# KiCad board krishveercard.kicad_pcb
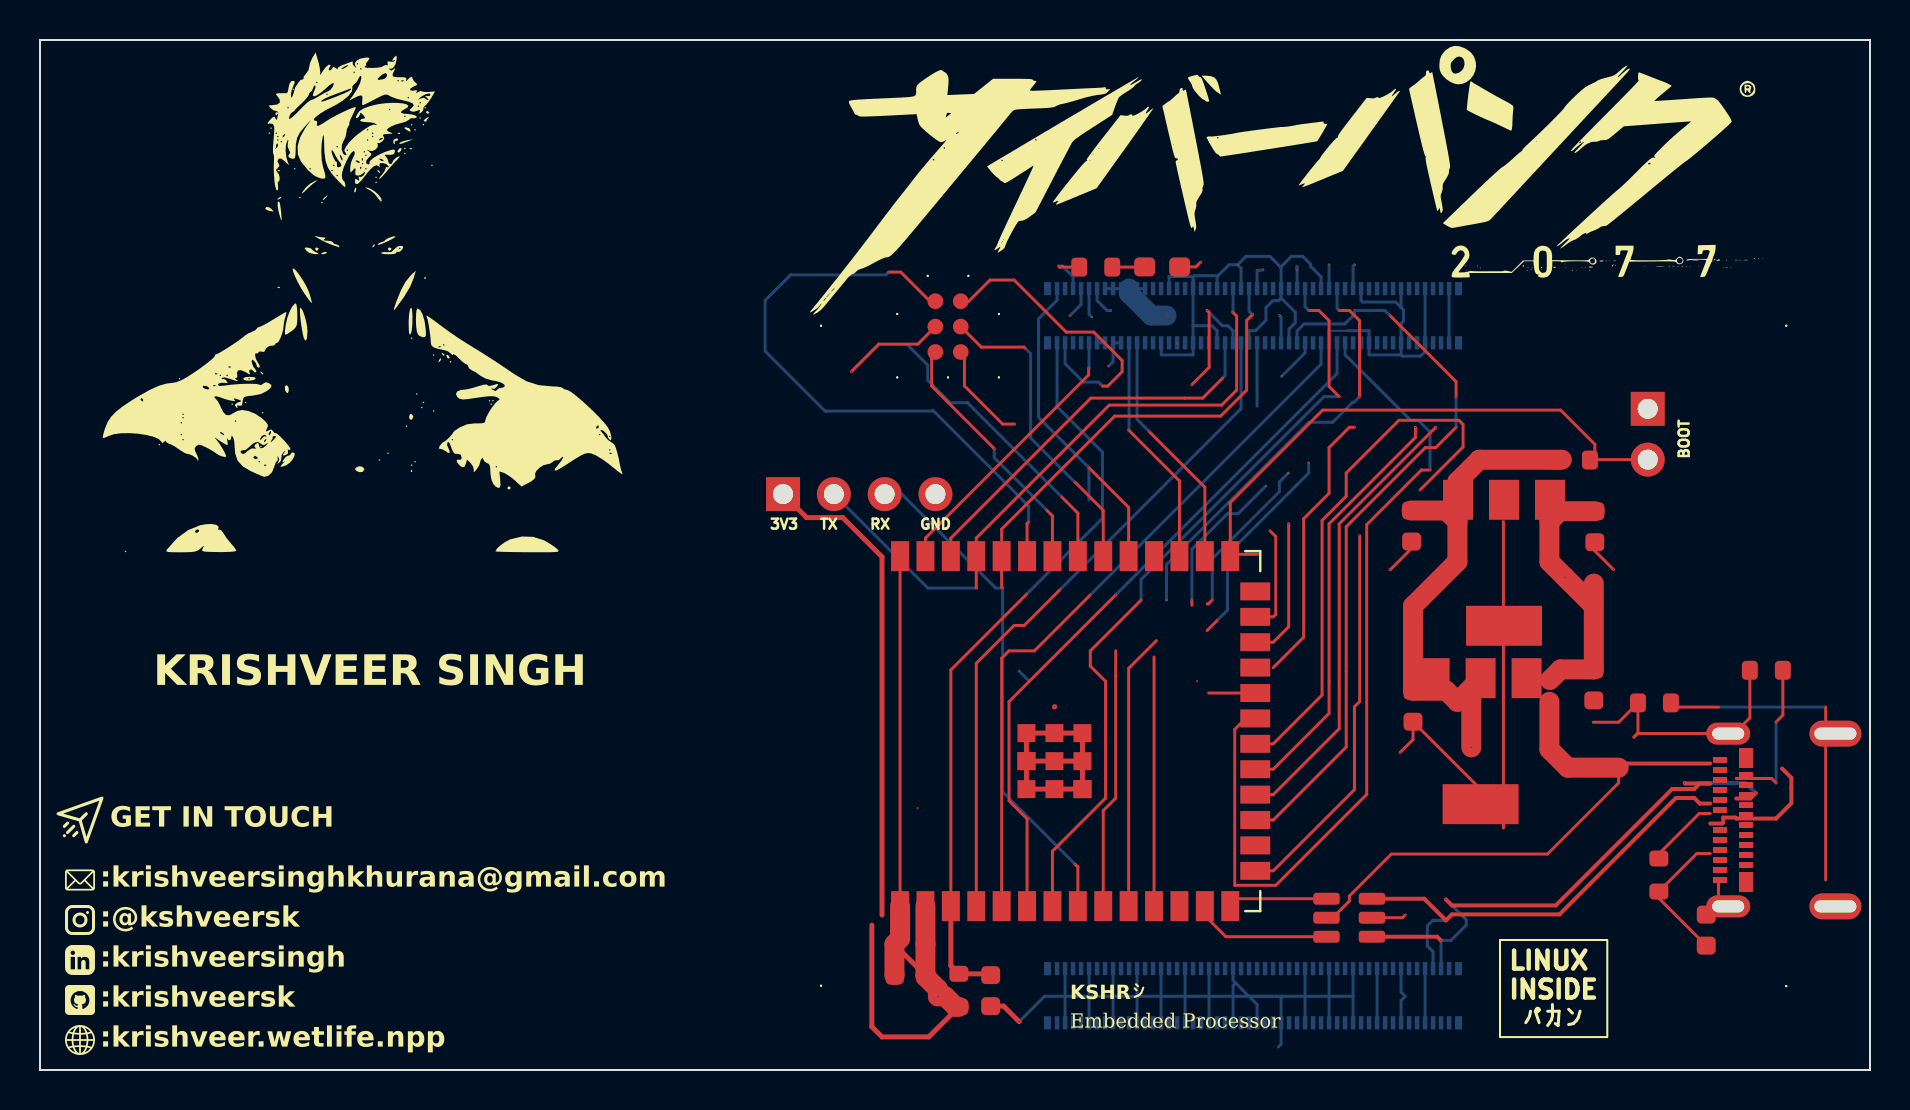
[diagram p0: board, top side]
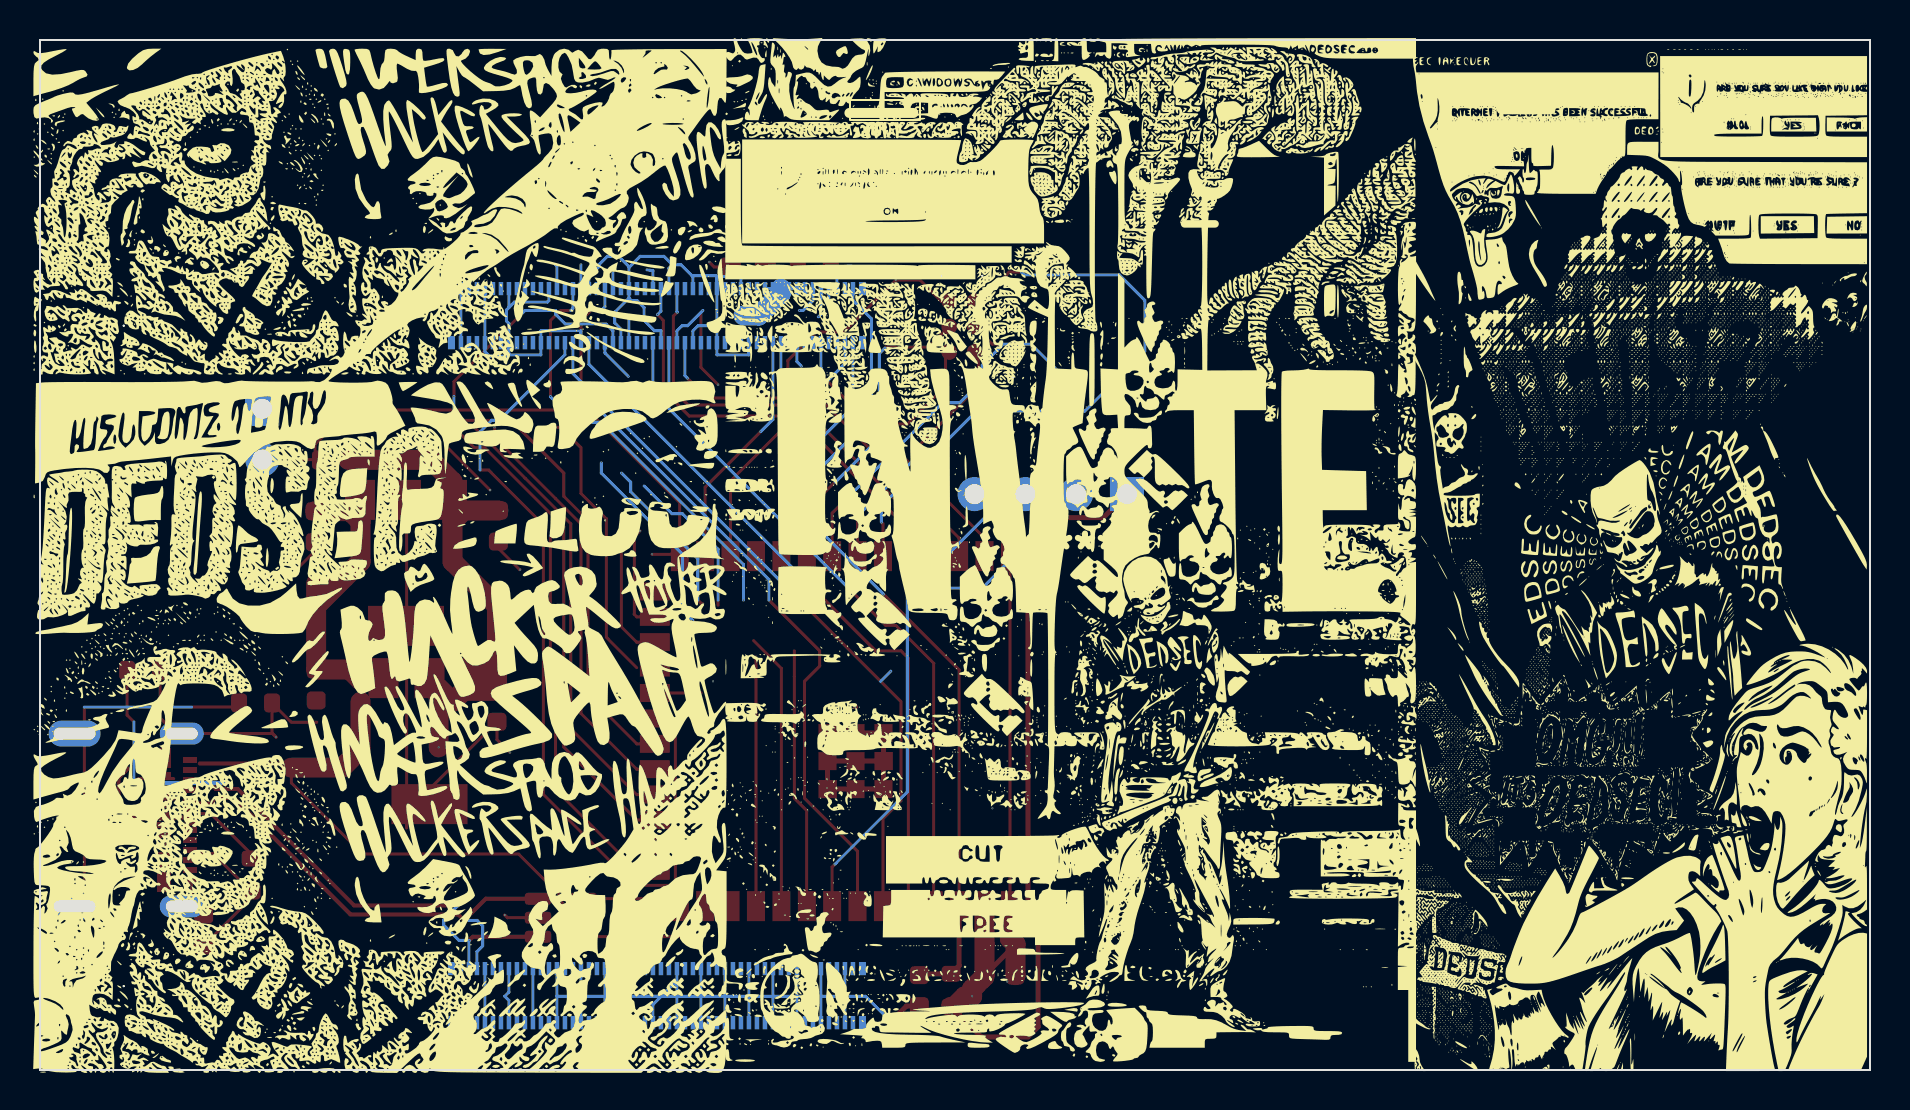
[diagram p1: board, bottom side, seen from below]

Outline 91.5 x 51.5 mm; copper layers: Top, In1.Cu, In2.Cu, Bottom. Coordinates in mm from the lower left corner of the outline.
Outline path: 0,51.5 91.5,51.5 91.5,0 0,0 0,51.5
Stack: Top 0.035mm / dielectric 0.1mm FR4 er 4.5 / In1.Cu 0.035mm / dielectric 1.24mm FR4 er 4.5 / In2.Cu 0.035mm / dielectric 0.1mm FR4 er 4.5 / Bottom 0.035mm

## Placement (name value [footprint] x y rotation side)
   UART  [PinHeader_1x04_P2.54mm_Vertical]  37.15 28.79 90 top
    C  [C_0603_1608Metric]  47.53 3.97 270 top
                    ~  [HRS_DF40C-100DP-0.4V(51)]  60.65 3.71 180 bottom
                     ~  [HRS_DF40C-100DP-0.4V(51)]  60.65 37.71 180 bottom
  #2  MCP1825S  [SOT-223-3_TabPin2]  73.2 25.36 270 top
  #3  C  [C_0603_1608Metric]  43.51 4.74 180 top
  #4  C  [C_0603_1608Metric]  77.74 27.16 270 top
  #5  USBLC6-2SC6  [SOT-23-6]  65.46 7.61 180 top
  #6  105450-0101  [MOLEX_105450-0101]  87.77 12.5 90 top
  #7  MCP1825S  [SOT-223-3_TabPin2]  72.03 16.44 270 top
  #8  5k1  [R_0603_1608Metric]  80.94 9.75 90 top
  #9  68  [R_0603_1608Metric]  52.79 40.14 180 top
  #10  C  [C_0603_1608Metric]  77.69 19.25 270 top
  #11  BOOT  [PinHeader_1x02_P2.54mm_Horizontal]  80.39 33.06 0 top
  #12  C  [C_0603_1608Metric]  83.31 6.99 90 top
  #13  10k  [R_0603_1608Metric]  45.94 3.98 90 top
  #14  10k  [R_0603_1608Metric]  80.72 18.35 180 top
  #15  10k  [R_0603_1608Metric]  76.68 30.5 0 top
  #16  5k1  [R_0603_1608Metric]  86.32 19.98 0 top
 #2  -  [ESP32-S3-WROOM-1]  51.26 16.94 90 top
 #3  C  [C_0603_1608Metric]  68.65 18.19 270 top
 #4  Conn_ARM_SWD_TagConnect_TC2030  [Tag-Connect_TC2030-IDC-FP_2x03_P1.27mm_Vertical]  45.4 37.17 90 top
 #5  LED  [LED_0603_1608Metric_Pad1.05x0.95mm_HandSolder]  56.11 40.15 0 top
 #6  C  [C_0603_1608Metric]  68.58 27.2 270 top
G***  -  [LOGO]  2 12.5 0 top
G***#2  -  [LOGO]  2 7.5 0 top
G***#3  -  [LOGO]  2 9.5 0 top
G***#4  -  [LOGO]  16 38.5 0 top
G***#5  -  [LOGO]  2 3.5 0 top
G***#6  -  [LOGO]  2 5.5 0 top
G***#7  -  [LOGO]  2 1.5 0 top
G***#8  -  [LOGO]  63.5 44.5 0 top
G***#9  -  [LOGO]  11.5 25.5 180 bottom
G***#10  -  [LOGO]  74.5 25.5 180 bottom
G***#11  -  [LOGO]  40 26 180 bottom
MP1  ~  [Mount-hole-M2.5]  39.05 37.21 0 top
MP2  ~  [Mount-hole-M2.5]  39.05 4.21 0 top
MP3  ~  [Mount-hole-M2.5]  87.31 37.21 0 top
MP4  ~  [Mount-hole-M2.5]  87.31 4.19 0 top

## Library data of the parts
  = -: Description: Generic connector, single row, 01x04, script generated (kicad-library-utils/schlib/autogen/connector/)
     #3   #4   #10   #12  #3  #6 = -: Description: Unpolarized capacitor
                                       = -: MPN: DF40C-100DP-0.4V(51); Manufacturer: HRS
  #2   #7 = -: Description: 500mA, Low-Voltage, Low Quiescent Current LDO Regulator, SOT-223, TO-220, TO-263
  #5 = -: Description: Very low capacitance ESD protection diode, 2 data-line, SOT-23-6
  #6 = -: x: Good
  #8   #9   #13-  #16 = -: Description: Resistor
  #11 = -: Description: Generic connector, single row, 01x02, script generated
 #2 = -: Description: 2.4 GHz WiFi (802.11 b/g/n) and Bluetooth ® 5 (LE) module Built around ESP32S3 series of SoCs, Xtensa ® dualcore 32bit LX7 microprocessor Flash up to 16 MB, PSRAM up to 8 MB 36 GPIOs, rich set of peripherals Onboard PCB antenna
 #4 = -: Description: Tag-Connect ARM Cortex SWD JTAG connector, 6 pin
 #5 = -: Description: Light emitting diode

## Footprints (pads in the part's own frame, mm; a bottom-side part is the same pattern mirrored in y, then rotated)
C_0603_1608Metric
  rrect 0.9x0.95 smd: 1(-0.775,0) 2(0.775,0)
ESP32-S3-WROOM-1
  rect 1.5x0.9 smd: 1(-8.75,8.26) 2(-8.75,6.99) 3(-8.75,5.72) 4(-8.75,4.45) 5(-8.75,3.18) 6(-8.75,1.91) 7(-8.75,0.64) 8(-8.75,-0.63) 9(-8.75,-1.9) 10(-8.75,-3.17) 11(-8.75,-4.44) 12(-8.75,-5.71) 13(-8.75,-6.98) 14(-8.75,-8.25) 27(8.75,-8.25) 28(8.75,-6.98) 29(8.75,-5.71) 30(8.75,-4.44) 31(8.75,-3.17) 32(8.75,-1.9) 33(8.75,-0.63) 34(8.75,0.64) 35(8.75,1.91) 36(8.75,3.18) 37(8.75,4.45) 38(8.75,5.72) 39(8.75,6.99) 40(8.75,8.26)
  rect 0.9x1.5 smd: 15(-6.985,-9.5) 16(-5.715,-9.5) 17(-4.445,-9.5) 18(-3.175,-9.5) 19(-1.905,-9.5) 20(-0.635,-9.5) 21(0.635,-9.5) 22(1.905,-9.5) 23(3.175,-9.5) 24(4.445,-9.5) 25(5.715,-9.5) 26(6.985,-9.5)
  rect 0.9x0.9 smd: 41(-2.9,1.94) 41(-2.9,0.54) 41(-2.9,-0.86) 41(-2.9,-0.86) 41(-1.5,1.94) 41(-1.5,1.94) 41(-1.5,0.54) 41(-1.5,-0.86) 41(-0.1,1.94) 41(-0.1,0.54) 41(-0.1,-0.86)
HRS_DF40C-100DP-0.4V(51)
  rect 0.23x0.66 smd: 1(-9.8,1.355) 2(-9.8,-1.355) 3(-9.4,1.355) 4(-9.4,-1.355) 5(-9,1.355) 6(-9,-1.355) 7(-8.6,1.355) 8(-8.6,-1.355) 9(-8.2,1.355) 10(-8.2,-1.355) 11(-7.8,1.355) 12(-7.8,-1.355) 13(-7.4,1.355) 14(-7.4,-1.355) 15(-7,1.355) 16(-7,-1.355) 17(-6.6,1.355) 18(-6.6,-1.355) 19(-6.2,1.355) 20(-6.2,-1.355) 21(-5.8,1.355) 22(-5.8,-1.355) 23(-5.4,1.355) 24(-5.4,-1.355) 25(-5,1.355) 26(-5,-1.355) 27(-4.6,1.355) 28(-4.6,-1.355) 29(-4.2,1.355) 30(-4.2,-1.355) 31(-3.8,1.355) 32(-3.8,-1.355) 33(-3.4,1.355) 34(-3.4,-1.355) 35(-3,1.355) 36(-3,-1.355) 37(-2.6,1.355) 38(-2.6,-1.355) 39(-2.2,1.355) 40(-2.2,-1.355) 41(-1.8,1.355) 42(-1.8,-1.355) 43(-1.4,1.355) 44(-1.4,-1.355) 45(-1,1.355) 46(-1,-1.355) 47(-0.6,1.355) 48(-0.6,-1.355) 49(-0.2,1.355) 50(-0.2,-1.355) 51(0.2,1.355) 52(0.2,-1.355) 53(0.6,1.355) 54(0.6,-1.355) 55(1,1.355) 56(1,-1.355) 57(1.4,1.355) 58(1.4,-1.355) 59(1.8,1.355) 60(1.8,-1.355) 61(2.2,1.355) 62(2.2,-1.355) 63(2.6,1.355) 64(2.6,-1.355) 65(3,1.355) 66(3,-1.355) 67(3.4,1.355) 68(3.4,-1.355) 69(3.8,1.355) 70(3.8,-1.355) 71(4.2,1.355) 72(4.2,-1.355) 73(4.6,1.355) 74(4.6,-1.355) 75(5,1.355) 76(5,-1.355) 77(5.4,1.355) 78(5.4,-1.355) 79(5.8,1.355) 80(5.8,-1.355) 81(6.2,1.355) 82(6.2,-1.355) 83(6.6,1.355) 84(6.6,-1.355) 85(7,1.355) 86(7,-1.355) 87(7.4,1.355) 88(7.4,-1.355) 89(7.8,1.355) 90(7.8,-1.355) 91(8.2,1.355) 92(8.2,-1.355) 93(8.6,1.355) 94(8.6,-1.355) 95(9,1.355) 96(9,-1.355) 97(9.4,1.355) 98(9.4,-1.355) 99(9.8,1.355) 100(9.8,-1.355)
  rect 0.35x0.66 smd: S1(-10.275,1.355) S2(-10.275,-1.355) S3(10.275,1.355) S4(10.275,-1.355)
LED_0603_1608Metric_Pad1.05x0.95mm_HandSolder
  rrect 1.05x0.95 smd: 1(-0.875,0) 2(0.875,0)
MOLEX_105450-0101
  rect 0.3x0.7 smd: A1(-3,3.77) A2(-2.5,3.77) A3(-2,3.77) A4(-1.5,3.77) A5(-1,3.77) A6(-0.5,3.77) A7(0.5,3.77) A8(1,3.77) A9(1.5,3.77) A10(2,3.77) A11(2.5,3.77) A12(3,3.77) B2(2.25,2.47) B3(1.75,2.47) B4(1.25,2.47) B5(0.75,2.47) B6(0.25,2.47) B7(-0.25,2.47) B8(-0.75,2.47) B9(-1.25,2.47) B10(-1.75,2.47) B11(-2.25,2.47)
  rect 1x0.7 smd: B1(3.1,2.47) B12(-3.1,2.47)
  oval 1.1x2.2 hole 0.6x1.6: S1(-4.32,3.36) S2(4.32,3.36)
  oval 1.3x2.6 hole 0.6x2.1: S3(-4.32,-2) S4(4.32,-2)
Mount-hole-M2.5
  round 0.1 hole 0.1: 1(0,0)
PinHeader_1x02_P2.54mm_Horizontal
  rect 1.7x1.7 hole 1: 1(0,0)
  oval 1.7x1.7 hole 1: 2(0,-2.54)
PinHeader_1x04_P2.54mm_Vertical
  rect 1.7x1.7 hole 1: 1(0,0)
  oval 1.7x1.7 hole 1: 2(0,-2.54) 3(0,-5.08) 4(0,-7.62)
R_0603_1608Metric
  rrect 0.8x0.95 smd: 1(-0.825,0) 2(0.825,0)
SOT-23-6
  rrect 1.325x0.6 smd: 1(-1.137,0.95) 2(-1.137,0) 3(-1.137,-0.95) 4(1.137,-0.95) 5(1.137,0) 6(1.137,0.95)
SOT-223-3_TabPin2
  rect 2x1.5 smd: 1(-3.15,2.3) 2(-3.15,0) 3(-3.15,-2.3)
  rect 2x3.8 smd: 2(3.15,0)
Tag-Connect_TC2030-IDC-FP_2x03_P1.27mm_Vertical
  round 0.1 hole 0.1 unplated: (-2.54,2.54) (-2.54,0) (-2.54,-2.54) (0.635,2.54) (0.635,-2.54) (2.54,1.016) (2.54,-1.016)
  round 0.787 smd: 1(-1.27,-0.635) 2(-1.27,0.635) 3(0,-0.635) 4(0,0.635) 5(1.27,-0.635) 6(1.27,0.635)

## Nets
+1V8:                    .88                    .90
+3V3:  .1                    .84                    .86   #2.3   #3.1   #7.3   #13.1   #15.1  #2.2  #3.1  #4.1  #5.2  #6.1
+5V:                    .77                    .79                    .81                    .83                    .85                    .87   #2.1   #4.1   #5.5   #6.A4   #6.A9   #6.B4   #6.B9   #7.1   #10.1
GND:  .4   .2                   .7                   .8                   .13                   .14                   .19                   .20                   .25                   .26                   .31                   .32                   .37                   .38                   .44                   .50                   .55                   .56                   .61                   .62                   .67                   .68                   .73                   .74                   .79                   .80                   .85                   .86                   .91                   .92                   .97                   .98                    .1                    .2                    .7                    .8                    .13                    .14                    .22                    .23                    .32                    .33                    .42                    .43                    .52                    .53                    .59                    .60                    .65                    .66                    .71                    .74                    .98   #2.2   #3.2   #4.2   #5.2   #6.A1   #6.A12   #6.B1   #6.B12   #7.2   #8.1   #10.2   #11.1   #12.1   #14.2   #16.1  #2.1  #2.40  #2.41  #3.2  #4.5  #6.2
/D+:   #5.4  #2.14
/D-:   #5.6  #2.13
AIN0:                    .96
AIN1:                    .94
BT_nDis:                    .91  #2.25
CAM1_D2_N:                   .33
CAM1_D2_P:                   .35
CAM1_D3_N:                   .39
CAM1_D3_P:                   .41
CAM_GPIO:                    .97
CSI1RX_CLK_N:                   .40
CSI1RX_CLK_P:                   .42
CSI1RX_D0_N:                   .28
CSI1RX_D0_P:                   .30
CSI1RX_D1_N:                   .34
CSI1RX_D1_P:                   .36
CSI2RX_CLK_N:                   .27
CSI2RX_CLK_P:                   .29
CSI2RX_D0_N:                   .15
CSI2RX_D0_P:                   .17
CSI2RX_D1_N:                   .21
CSI2RX_D1_P:                   .23
DSI0_C_N:                   .69
DSI0_C_P:                   .71
DSI0_D0_N:                   .57
DSI0_D0_P:                   .59
DSI0_D1_N:                   .63
DSI0_D1_P:                   .65
DSI1_C_N:                   .87
DSI1_C_P:                   .89
DSI1_D0_N:                   .75
DSI1_D0_P:                   .77
DSI1_D1_N:                   .81
DSI1_D1_P:                   .83
DSI1_D2_N:                   .93
DSI1_D2_P:                   .95
DSI1_D3_N:                   .94
DSI1_D3_P:                   .96
EEPROM_nWP:                    .20
ETH0_N:                    .10
ETH0_P:                    .12
ETH1_N:                    .6
ETH1_P:                    .4
ETH2_N:                    .9
ETH2_P:                    .11
ETH3_N:                    .5
ETH3_P:                    .3
ETH_SYNC_IN:                    .16
ETH_SYNC_OUT:                    .18
ETHERNET_nLED1:                    .19
Ethernet_nLED2:                    .17
Ethernet_nLED3:                    .15
GLOBAL_EN:                    .99  #2.31
GPIO_VREF:                    .78
HDMI1_CEC:                   .49
HDMI1_CK_N:                   .66
HDMI1_CK_P:                   .64
HDMI1_D0_N:                   .60
HDMI1_D0_P:                   .58
HDMI1_D1_N:                   .54
HDMI1_D1_P:                   .52
HDMI1_D2_N:                   .48
HDMI1_D2_P:                   .46
HDMI1_HOTPLUG:                   .43
HDMI1_SCL:                   .47
HDMI1_SDA:                   .45
HDMI_CEC:                   .51
HDMI_DSCL:                   .100
HDMI_DSDA:                   .99
HDMI_HPD:                   .53
HDMI_TX0_N:                   .84
HDMI_TX0_P:                   .82
HDMI_TX1_N:                   .78
HDMI_TX1_P:                   .76
HDMI_TX2_N:                   .72
HDMI_TX2_P:                   .70
HDMI_TXC_N:                   .90
HDMI_TXC_P:                   .88
I2C2_SCL:                    .80  #2.28
I2C2_SDA:                    .82  #2.29
nEXTRST:   .1                    .100   #13.2  #2.3
nPWR_LED:                    .95   #9.2
nRPI_BOOT:                    .93   #11.2   #15.2  #2.27
PCIE_CLK_N:                   .12
PCIE_CLK_nREQ:                   .2
PCIE_CLK_P:                   .10
PCIE_RX_N:                   .18
PCIE_RX_P:                   .16
PCIE_TX_N:                   .24
PCIE_TX_P:                   .22
Pi_nLED_Activity:                    .21
PSCIE_nRST:                   .9
RPI_GPIO02:                    .58  #2.38
RPI_GPIO03:                    .56  #2.15
RPI_GPIO04:                    .54  #2.4
RPI_GPIO05:                    .34  #2.5
RPI_GPIO06:                    .30  #2.6
RPI_GPIO07:                    .37  #2.7
RPI_GPIO08:                    .39  #2.12
RPI_GPIO09:                    .40  #2.17
RPI_GPIO10:                    .44  #2.18
RPI_GPIO11:                    .38  #2.19
RPI_GPIO12:                    .31  #2.20
RPI_GPIO13:                    .28  #2.21
RPI_GPIO14 / Uart_TXD:  .2                    .55  #2.22  #2.37
RPI_GPIO15 / Uart_RXD:  .3                    .51  #2.8  #2.36
RPI_GPIO16:                    .29  #2.9
RPI_GPIO17:                    .50  #2.10
RPI_GPIO18:                    .49  #2.11
RPI_GPIO19:                    .26
RPI_GPIO20:                    .27
RPI_GPIO21:                    .25  #2.23
RPI_GPIO22:                    .46
RPI_GPIO23:                    .47
RPI_GPIO24:                    .45
RPI_GPIO25:                    .41
RPI_GPIO26:                    .24
RPI_GPIO27:                    .48
RPI_ID_SC:                    .35
RPI_ID_SD:                    .36
RUN_PG:                    .92  #2.39
SD_CLK:                    .57
SD_CMD:                    .62
SD_DAT0:                    .63
SD_DAT1:                    .67
SD_DAT2:                    .69
SD_DAT3:                    .61
SD_DAT4:                    .68
SD_DAT5:                    .64
SD_DAT6:                    .72
SD_DAT7:                    .70
SD_PWR_ON:                    .75
SD_VDD_OVRD:                    .73
TV_OUT:                   .11
USBD_N:                   .3   #5.1   #6.A7   #6.B7
USBD_P:                   .5   #5.3   #6.A6   #6.B6
USBOTG_ID:                   .1
WL_nDis:                    .89  #2.24
Net-(C6-Pad2):   #6.S1   #6.S2   #6.S3   #6.S4   #12.2   #14.1
Net-(D1-K):   #9.1  #5.1
Net-(J1-SWCLK):  #2.33  #4.4
Net-(J1-SWDIO):  #2.34  #4.2
Net-(J1-SWO):  #2.35  #4.6
Net-(J1-~{RESET}):  #2.32  #4.3
Net-(J5-CC1):   #6.A5   #8.2
Net-(J5-CC2):   #6.B5   #16.2

Pads without a net:                    4 6 S1 S2 S3 S4;                     76 S1 S2 S3 S4;   #6 A2 A3 A8 A10 A11 B2 B3 B8 B10 B11;  #2 16 26 30; MP1 1; MP2 1; MP3 1; MP4 1

## Via types
v1: diameter 0.1, hole 0.05, Top to Bottom, 87 vias

## Routing (per net, layer and track width the routed paths; a pad name or vN(x,y) marks a point on that pad's centre or on a via; arc(x,y) is an arc through that point)
+1V8: length 0.4
  Bottom w0.15:                    .90                    .88
+3V3: length 133.5
  Top w0.15:  #5.2 57.79,40.15 v1(58.03,40.39) ; v1(48.73,32.29) 48.13,32.29 46.22,34.2 46.22,35.71  #4.1
  Top w0.25: 42.1,7.75 42.1,25.66 40.14,27.62 38.33,27.62  .1 ; 41.59,7.24 41.59,2.16 42.1,1.65 44.44,1.65   #13.1
  Top w1: 70.87,27.42 70.87,29.42 71.97,30.51 76.09,30.51 ; 70.87,27.42 70.32,27.97  #6.1 ; 70.87,27.42 70.87,25.42 68.65,23.2  #3.1 70.32,18.96 70.87,18.41 71.56,19.1 v1(71.56,16.13) ;   #13.1 45.78,3.16 45.26,3.69 v1(44.89,3.69) 44.89,4.05 44.28,4.66   #3.1 44.27,4.75  #2.2
  In2.Cu w0.15: v1(53.43,35.19) 53.23,35.39 53.23,36.71 ; 53.23,36.71 54.21,36.71 57.9,40.39 v1(58.03,40.39) ; 53.23,36.71 53.02,36.71 48.73,32.42 v1(48.73,32.29) 40.65,32.29  .1
  In2.Cu w1: v1(71.56,16.13) 59.88,4.45 45.66,4.45 v1(44.89,3.69)
  Bottom w0.15:                    .84                    .86 53.65,35.41 v1(53.43,35.19)
+5V: length 84.3
  Top w0.15: 78.93,15.12 78.93,14.35 75.37,10.8 67.57,10.8 65.47,8.7 65.47,8.45 64.64,7.61   #5.5
  Top w0.2: 78.93,15.12 79.14,15.32 83.51,15.32
  Top w1: 75.47,18.41 75.47,16.04 76.39,15.12 78.93,15.12 ; 75.5,19.5 76.03,20.03   #10.1 77.69,24.32 ;   #4.1 75.99,27.94 75.47,27.42 75.47,25.42 v1(76.26,24.63) 77.66,23.23
  In2.Cu w1: v1(56.32,37.72) 58.35,35.69 59.81,35.69 60.47,35.03 60.47,34.22 ; v1(76.26,24.63) 74.35,22.73 65.73,22.73 65.5,22.5 66.07,22.5 68.28,24.7 68.28,26.61 63.43,31.46 61.04,31.46 ; 56.42,37.42 55.58,36.58 55.58,36.07 56.99,34.66
  Bottom w0.15:                    .87                    .77
  Bottom w1:                    .81 54.45,38.83 55.56,37.72 v1(56.32,37.72)
GND: length 232.1
  Top w0.15: 53.13,34.19 53.39,34.19 54.11,34.91 54.11,35.47 52.69,36.89 51.31,36.89 v1(48.7,39.5) 47.5,39.5 46.44,38.44  #4.5 ; v1(67.5,25.02) 67.52,25.02 68.58,26.08  #6.2 ;   #4.2 77.74,25.96 v1(78.68,25.02) ;   #5.2 68.13,7.61 v1(68.26,7.75) ; 83.51,10.82 82.84,10.82   #8.1 80.94,8.59   #12.1 ; v1(68.01,15.88) 68.65,16.52  #3.2 73.17,12.89 73.17,12.11 73.17,27.42 ; 77.66,17.39 78.93,17.39   #14.2 79.9,16.84 v1(79.69,16.64) 79.88,16.82 83.51,16.82 83.61,16.92 84.81,16.92 85.49,17.6   #16.1 ;  #2.40  #2.1
  Top w0.25:  #2.41  #2.41 ; 44,5 42.76,6.24 ; v1(48.96,2.42) 48.18,3.19   .2 ; 50.72,18.15 v1(50.74,18.16) ;  #2.41  #2.41  #2.41  #2.41  #2.41
  Top w1:  #2.1 43,6.57 42.72,6.29 42.72,4.75   #3.2
  In1.Cu w0.15: v1(48.7,39.5) 59.12,39.5 v1(59.88,40.26)
  In1.Cu w0.25: 48.96,18.16 v1(43.88,13.08)
  Bottom w0.1: 65.4,36.96 64.48,36.96 64.46,36.95
  Bottom w0.15: 62.04,40.14 62.05,40.12                    .43 62.05,38.6 ; 62.04,40.14 62.04,40.15 62.57,40.68 63.13,40.68 63.53,40.29 63.53,40.19 64.05,39.66                    .33 ; 62.04,40.14 61.49,40.68 60.3,40.68 v1(59.88,40.26) ;                   .14 68.05,3.48 68.26,3.69 68.05,3.9                   .13 ;                    .71 56.45,39.66 56.46,39.67 57.64,39.67 57.65,39.66                    .65 ;                   .25 65.65,3.69 ; 65.65,3.69 50.23,3.69 v1(48.96,2.42) ; 65.65,3.69                   .26 ;                   .37                   .38 ;                    .74 56.06,36.35 56.06,35.75 57.64,35.75 57.65,35.76                    .66 57.65,37.21 ;                    .52 60.45,36.95 60.46,36.96 60.77,36.96 61.3,37.49 61.3,38.12 61.64,38.46 61.92,38.46 62.05,38.6 ;                   .79                   .80 ; 59.78,4.35 59.65,4.47                   .55 ; 59.78,4.35 60.44,3.69 ; 59.78,4.35 59.65,4.22                   .56 ; 62.05,38.6 62.76,37.89 62.76,37.36 62.45,37.05                    .42 ; 57.65,37.21 58.59,37.21 58.85,36.95                    .60 ; 57.65,37.21                    .65 ; 64.46,36.36 64.46,36.95 64.45,36.95                    .32 ;                   .97                   .98 ;                   .73                   .74 ; 65.4,36.96 66.44,36.96 66.45,36.95                    .22 66.45,35.76 66.46,35.75 68.04,35.75 68.05,35.76 ;                   .19                   .20 ; 58.9,39.71 58.85,39.66                    .59 ; 58.9,39.71 59.45,40.26 v1(59.88,40.26) ; 58.9,39.71 57.7,39.71 57.66,39.67 57.66,39.08                    .65 ;                   .85                   .86 ;                   .61                   .62 ;                    .98 51.25,35.32 52.18,34.39 52.93,34.39 53.13,34.19 ; 60.44,3.69 62.17,3.69 62.05,3.57                   .44 62.05,1.29 61.91,1.15 ; 60.44,3.69 60.85,3.27                   .50 ;                   .31                   .32 ;                    .7                    .8 69.25,35.92 69.02,35.69 68.13,35.69 68.05,35.76 ; 68.05,35.76                    .14 68.05,37.32 68.18,37.44 68.18,38 68.05,38.12 ; 68.05,38.12 67.78,38.4 66.13,38.4 66.05,38.47                    .23 ; 68.05,38.12                    .13 ;                    .53 60.05,40.09 v1(59.88,40.26) ;                   .8                   .7 ;                   .91                   .92 ;                   .67                   .68 ;                    .1                    .2
  vias: v1(43.14,4.42) v1(53.03,34.27)
/D+: length 5
  Top w0.15:  #2.14 59.88,8.56   #5.4
/D-: length 7
  Top w0.15:   #5.6 59.29,6.66 58.24,7.71  #2.13
BT_nDis: length 21.8
  Top w0.15:  #2.25 61.66,22.66 61.79,22.78 61.79,26.67 v1(61.5,26.96)
  In1.Cu w0.15: v1(52.58,37.66) 53.03,37.21 54.04,37.21 56.57,34.68 56.57,31.89 v1(61.5,26.96)
  Bottom w0.15:                    .91 52.45,37.79 v1(52.58,37.66)
GLOBAL_EN: length 17.2
  Top w0.15:  #2.31 54.43,28.13 v1(52.45,30.11)
  Bottom w0.15: 52.45,28.5 v1(52.45,30.11) 49.93,32.63 49.93,37.56 50.85,38.49                    .99
I2C2_SCL: length 12.1
  Top w0.15:  #2.28 58.24,29.14 v1(55.46,31.92)
  Bottom w0.15: v1(55.46,31.92) 54.85,32.53                    .80
I2C2_SDA: length 11.7
  Top w0.15:  #2.29 56.97,29.45 v1(54.43,31.99)
  Bottom w0.15: v1(54.43,31.99) 54.45,32.01                    .82
nEXTRST: length 37.4
  Top w0.15: v1(49.33,23.79) 45.54,20  #2.3
  Top w0.25:   .1 47.47,4.81   #13.2 45.54,5.21  #2.3
  Bottom w0.15: v1(49.33,23.79) 53.12,27.59 53.12,30.89 50.85,33.17                    .100
nPWR_LED: length 2.6
  Top w0.15:   #9.2 50.98,40.14 v1(50.93,40.19)
  Bottom w0.15:                    .95 51.65,39.66 51.12,40.19 v1(50.93,40.19)
nRPI_BOOT: length 46.4
  Top w0.15: v1(60.9,25.78) 59.6,25.78  #2.27 59.51,28.37 64.13,32.99 76.03,32.99 77.74,31.28 77.74,30.51 77.75,30.52 80.39,30.52
  In1.Cu w0.15: v1(51.5,37.72) 52.51,36.71 53.53,36.71 56.22,34.02 56.22,30.46 v1(60.9,25.78)
  Bottom w0.15:                    .93 52.05,38.28 v1(51.5,37.72)
RPI_GPIO02: length 19.6
  Top w0.15: v1(59.13,34.59) 58.13,33.59 52.54,33.59 45.54,26.59  #2.38
  Bottom w0.15: v1(59.13,34.59) 59.25,34.71                    .58
RPI_GPIO03: length 38.7
  Top w0.15: v1(58.36,37.98) 58.46,37.88 58.46,35.13 v1(57.59,34.27) ;  #2.15 61.66,9.96 65.72,14.02 65.72,18.16 65.99,18.43 v1(65.99,26.71)
  In1.Cu w0.15: v1(57.59,34.27) 57.59,31.94 61.47,28.07 64.63,28.07 v1(65.99,26.71)
  Bottom w0.15: v1(58.36,37.98) 59.12,37.21 59.39,37.21 59.65,36.95                    .56
RPI_GPIO04: length 33.9
  Top w0.15:  #2.4 46.81,20.34 48.7,22.23 49.21,22.23 v1(50.99,24.01)
  Bottom w0.15: v1(50.99,24.01) 60.05,33.07                    .54
RPI_GPIO05: length 35.5
  Top w0.15: v1(52.51,23.75) 49.72,20.96 48.45,20.96 48.08,20.59  #2.5
  Bottom w0.15: v1(52.51,23.75) 64.05,35.29                    .34
RPI_GPIO06: length 35.3
  Top w0.15: v1(53.78,23.75) 48.45,18.42 48.45,13.47 49.35,12.56  #2.6
  Bottom w0.15:                    .30 64.85,34.82 v1(53.78,23.75)
RPI_GPIO07: length 38.9
  Top w0.15: v1(63.44,37.98) 63.94,37.98 64.45,37.47 64.45,34.18 v1(64.96,33.67) ;  #2.7 50.62,10.94 53.28,13.59 53.28,19.43 52.51,20.2 52.51,20.96 v1(55.05,23.5)
  Bottom w0.15: v1(55.05,23.5) 55.05,24.53 64.2,33.67 v1(64.96,33.67) ;                    .37 63.25,38.16 v1(63.44,37.98)
RPI_GPIO08: length 21.9
  Top w0.15: 58.36,21.97 v1(58.86,22.48)
  In1.Cu w0.15: v1(63.44,30.36) 62.93,30.86 62.93,34.42 ; 62.76,34.59 62.76,40.09 v1(62.85,40.01) ; 58.71,37.79 58.88,37.62
  Bottom w0.15: v1(62.85,40.01) 62.85,40.19                    .39 ; v1(63.44,30.36) 63.44,29.85 59.37,25.78 59.37,22.99 v1(58.86,22.48)
RPI_GPIO09: length 37.5
  Top w0.15: v1(70.8,32.13) 69.79,31.12 69.27,31.12 65.31,27.16 65.31,16.15 61.66,12.5  #2.17 ; v1(70.8,33.67) 70.8,34.42 v1(67.5,37.72)
  Bottom w0.15:                    .40 62.85,36.95 63.2,37.3 65.24,37.3 65.72,37.78 65.72,37.98 67.25,37.98 v1(67.5,37.72) ; v1(70.8,33.67) v1(70.8,32.13)
RPI_GPIO10: length 35.5
  Top w0.15:  #2.18 61.66,13.77 64.96,17.07 64.96,27.31 69.77,32.12 v1(69.77,32.13)
  In2.Cu w0.15: v1(61.97,37.72) 61.91,37.66 61.91,35.61 62.17,35.36 66.54,35.36 v1(69.77,32.13)
  Bottom w0.15:                    .44 62.05,37.64 v1(61.97,37.72)
RPI_GPIO11: length 30.8
  Top w0.15:  #2.19 61.66,15.04 64.45,17.83 64.45,27.31 68.77,31.63 v1(68.77,32.13)
  In2.Cu w0.15: v1(62.09,34.68) 66.22,34.68 v1(68.77,32.13)
  Bottom w0.15: v1(62.09,34.68) 63.25,35.85                    .38
RPI_GPIO12: length 42.3
  Top w0.15: v1(69,29) 71.15,31.15 71.15,32.28 70.95,32.48 67.95,32.48 65.31,29.85 65.31,28.69 64.1,27.48 64.1,18.75 61.66,16.31  #2.20
  In1.Cu w0.15: v1(69,29) 66.54,31.46 65.44,31.46 64.29,32.62 64.29,40.09 v1(64.45,40.26)
  Bottom w0.15:                    .31 v1(64.45,40.26)
RPI_GPIO13: length 50.1
  Top w0.15: v1(69.5,30) 69.07,30 66.34,27.27 66.34,13.78 61.79,9.23 59.74,9.23 59.74,17.03 60.28,17.58  #2.21
  In1.Cu w0.25: 66,25 69.5,28.5 v1(69.5,30)
  Bottom w0.15: v1(69.5,30) 69.5,31.9 68.92,32.48 68.53,32.48 65.25,35.76                    .28
RPI_GPIO14 / Uart_TXD: length 40.9
  Top w0.15: v1(46.83,24.09) 46.81,24.11  #2.37 46.81,26.59 53.46,33.24 59.08,33.24 59.83,33.99 59.83,37.69 v1(59.63,37.89) ;  #2.22 58.43,18.85
  In1.Cu w0.15: v1(46.83,24.09) 46.83,22.07 v1(48.96,19.94)
  Bottom w0.15: 49.47,19.43 v1(48.96,19.94) ;  .2 44.39,24.09 v1(46.83,24.09) ;                    .55 59.65,37.91 v1(59.63,37.89)
  vias: v1(57.85,19.43)
RPI_GPIO15 / Uart_RXD: length 48.7
  Top w0.15: v1(60.62,37.77) 60.33,37.48 60.33,33.99 59.03,32.69 53.73,32.69 48.08,27.04  #2.36 48.08,24.14 v1(48.13,24.09) ;  #2.8 51.89,10.15 v1(51.75,10.29)
  Bottom w0.15:  .3 43.09,28.79 47.79,24.09 v1(48.13,24.09) 48.13,13.91 v1(51.75,10.29) ;                    .51 60.45,37.94 v1(60.62,37.77)
RPI_GPIO16: length 34.1
  Top w0.15: v1(65.98,33.67) 65.98,37.47 65.47,37.98 v1(64.96,37.98) ;  #2.9 53.16,12.97 53.78,13.59 53.78,20.96
  Bottom w0.15: v1(64.96,37.98) 64.85,38.08                    .29 ; v1(65.98,33.67) 65.7,33.39 65.64,33.39 64.64,32.39 63.44,32.39 56.32,25.28 v1(56.32,23.5)
RPI_GPIO17: length 28.2
  Top w0.15: 55.82,21.47 54.43,20.08  #2.10 ; 57.59,23.24 v1(57.59,23.5)
  In1.Cu w0.15: v1(61.29,29.2) 61.63,29.54 61.63,32.42
  Bottom w0.15: v1(61.29,29.2) 59.91,27.82 59.37,27.82 57.59,26.04 v1(57.59,23.5) ;                    .50 60.85,33.19
RPI_GPIO18: length 32.8
  Top w0.15: v1(58.61,23.5) 58.42,23.31 58.36,23.31 ;  #2.11 55.7,20.65
  In1.Cu w0.15: 61.3,34.02 61.3,40.11 v1(61.15,40.01) ; 57.25,37.22 58.37,36.1 ; 62.42,32.9 v1(62.42,29.85)
  Bottom w0.15: v1(58.61,23.5) 58.61,25.56 61.97,28.92 61.97,29.39 v1(62.42,29.85) ; v1(61.15,40.01) 60.85,39.96                    .49
RPI_GPIO21: length 24
  Top w0.15: 61.66,20.12 63.18,21.64 63.18,27.56 64.45,28.83 64.45,31.12 65.47,32.13 v1(65.72,32.13)
  In1.Cu w0.25: v1(65.72,40.26) 65.72,37.72 66.7,36.74 66.7,33.37 65.72,32.39 v1(65.72,32.13)
  Bottom w0.15:                    .25 65.65,40.19 v1(65.72,40.26)
RUN_PG: length 14.1
  Top w0.15: v1(52.43,35.09) 52.43,34.75 44.27,26.59  #2.39
  Bottom w0.15: v1(52.43,35.09) 52.45,35.11                    .92
SD_DAT7: length 1.1
  In1.Cu w0.15: 57.58,35.62 v1(56.88,36.32)
  Bottom w0.15: 56.8,36.4 v1(56.88,36.32)
USBD_N: length 30.2
  Top w0.2: v1(85.79,13.85) 85.52,13.57 84.81,13.57 ;   #5.1 69.86,6.66 v1(70.04,6.48) ; v1(82.23,14.35) 82.26,14.32 83.51,14.32 82.99,14.32 82.71,14.05 81.61,14.05 75.79,8.23 70.59,8.23 v1(70.29,8.53)
  Bottom w0.15: v1(70.29,8.53) 71.31,7.51 71.31,7.24 70.55,6.48 v1(70.04,6.48) 70.05,6.47                   .3
  Bottom w0.2: v1(85.79,13.85) 85.28,14.35 v1(82.23,14.35)
USBD_P: length 29.9
  Top w0.2: 83.51,13.32 82.99,13.32 82.71,13.6 81.8,13.6 75.98,7.78 70.59,7.78 v1(70.29,7.48) 69.21,8.56   #5.3 ; 87.1,15.07 87.57,14.61 87.57,13.34 86.8,12.57 84.81,12.57 84.76,12.62 84.16,12.62 84.16,12.37 84.11,12.32 83.51,12.32
  Bottom w0.15:                   .5 69.65,5.91 69.37,6.2 69.37,7.2 69.64,7.48 v1(70.29,7.48)
WL_nDis: length 23.8
  Top w0.15: v1(62.44,27.31) 62.44,22.16 61.66,21.39 60.76,21.39
  In1.Cu w0.15: v1(62.44,27.31) 62.12,27.63 61.41,27.63 56.92,32.12 56.92,35.02 56.83,35.18 54.29,37.98 v1(53.53,37.98)
  Bottom w0.15: v1(53.53,37.98) 53.35,37.98 52.85,38.47                    .89
Net-(C6-Pad2): length 18.4
  Top w0.15: 83.92,18.14 81.76,18.14   #14.1 ;   #12.2 83.92,8.38 83.92,9.5 ; 89.28,9.5 89.28,18.14
  Bottom w0.15: 89.28,18.14 83.92,18.14
Net-(D1-K): length 1.6
  Top w0.15:   #9.1 55.22,40.14  #5.1
Net-(J1-SWCLK): length 23.1
  Top w0.15: v1(40.58,34.93) 41.94,36.29 43.89,36.29  #4.4 ;  #2.33 51.89,27.84 v1(51.09,28.64)
  Bottom w0.15: 46.38,33.36 45.51,33.36 44.39,34.48 44.39,35.24 43.34,36.29 41.94,36.29 v1(40.58,34.93) ; 46.38,33.36 v1(51.09,28.64) ; 46.38,33.36 46.34,33.39
Net-(J1-SWDIO): length 12.8
  Top w0.15:  #4.2 44.58,35.71 44.58,34.2 v1(47.71,31.07) ;  #2.34 50.62,27.7 v1(50.33,27.99)
  Bottom w0.15: v1(47.71,31.07) 47.71,30.62 v1(50.33,27.99)
Net-(J1-SWO): length 31.2
  Top w0.15:  #4.6 44.5,38.44 43.04,39.89 v1(42.43,39.89) ; v1(49.43,27.39) 49.35,27.31  #2.35
  Bottom w0.15: 44.69,32.94 39.26,32.94 36.26,35.94 36.26,38.48 37.53,39.75 42.29,39.75 v1(42.43,39.89) ; 44.69,32.94 49.43,28.19 v1(49.43,27.39) ; 44.69,32.94 44.63,32.99
Net-(J1-~{RESET}): length 15.7
  Top w0.15:  #2.32 53.16,27.98 v1(51.74,29.4) ; v1(49.25,36.09) 49.21,36.14 47.07,36.14  #4.3
  Bottom w0.15: v1(49.25,36.09) 49.53,35.81 49.53,31.59 51.72,29.4 v1(51.74,29.4)
Net-(J5-CC1): length 3.6
  Top w0.15: 83.51,12.82 82.96,12.82 80.94,10.8   #8.2
Net-(J5-CC2): length 7.9
  Top w0.15: v1(86.8,14.35) 86.58,14.57 84.81,14.57 ;   #16.2 87.14,17.74 v1(86.8,17.4)
  Bottom w0.15: v1(86.8,17.4) v1(86.8,14.35)

## Text on the board
B.Silkscreen: _ | __ | - | rm -r
F.Silkscreen: 3V3 | TX | RX | GND | BOOT | シ | LINUX / INSIDE | パカン | Embedded Processor | :krishveersinghkhurana@gmail.com | :@kshveersk | :krishveersingh | :krishveersk | :krishveer.wetlife.npp | GET IN TOUCH | KSHR | KRISHVEER SINGH
